# Altium PCB AvionicsSensorBoard.PcbDoc (part 1 of 2) (continued)
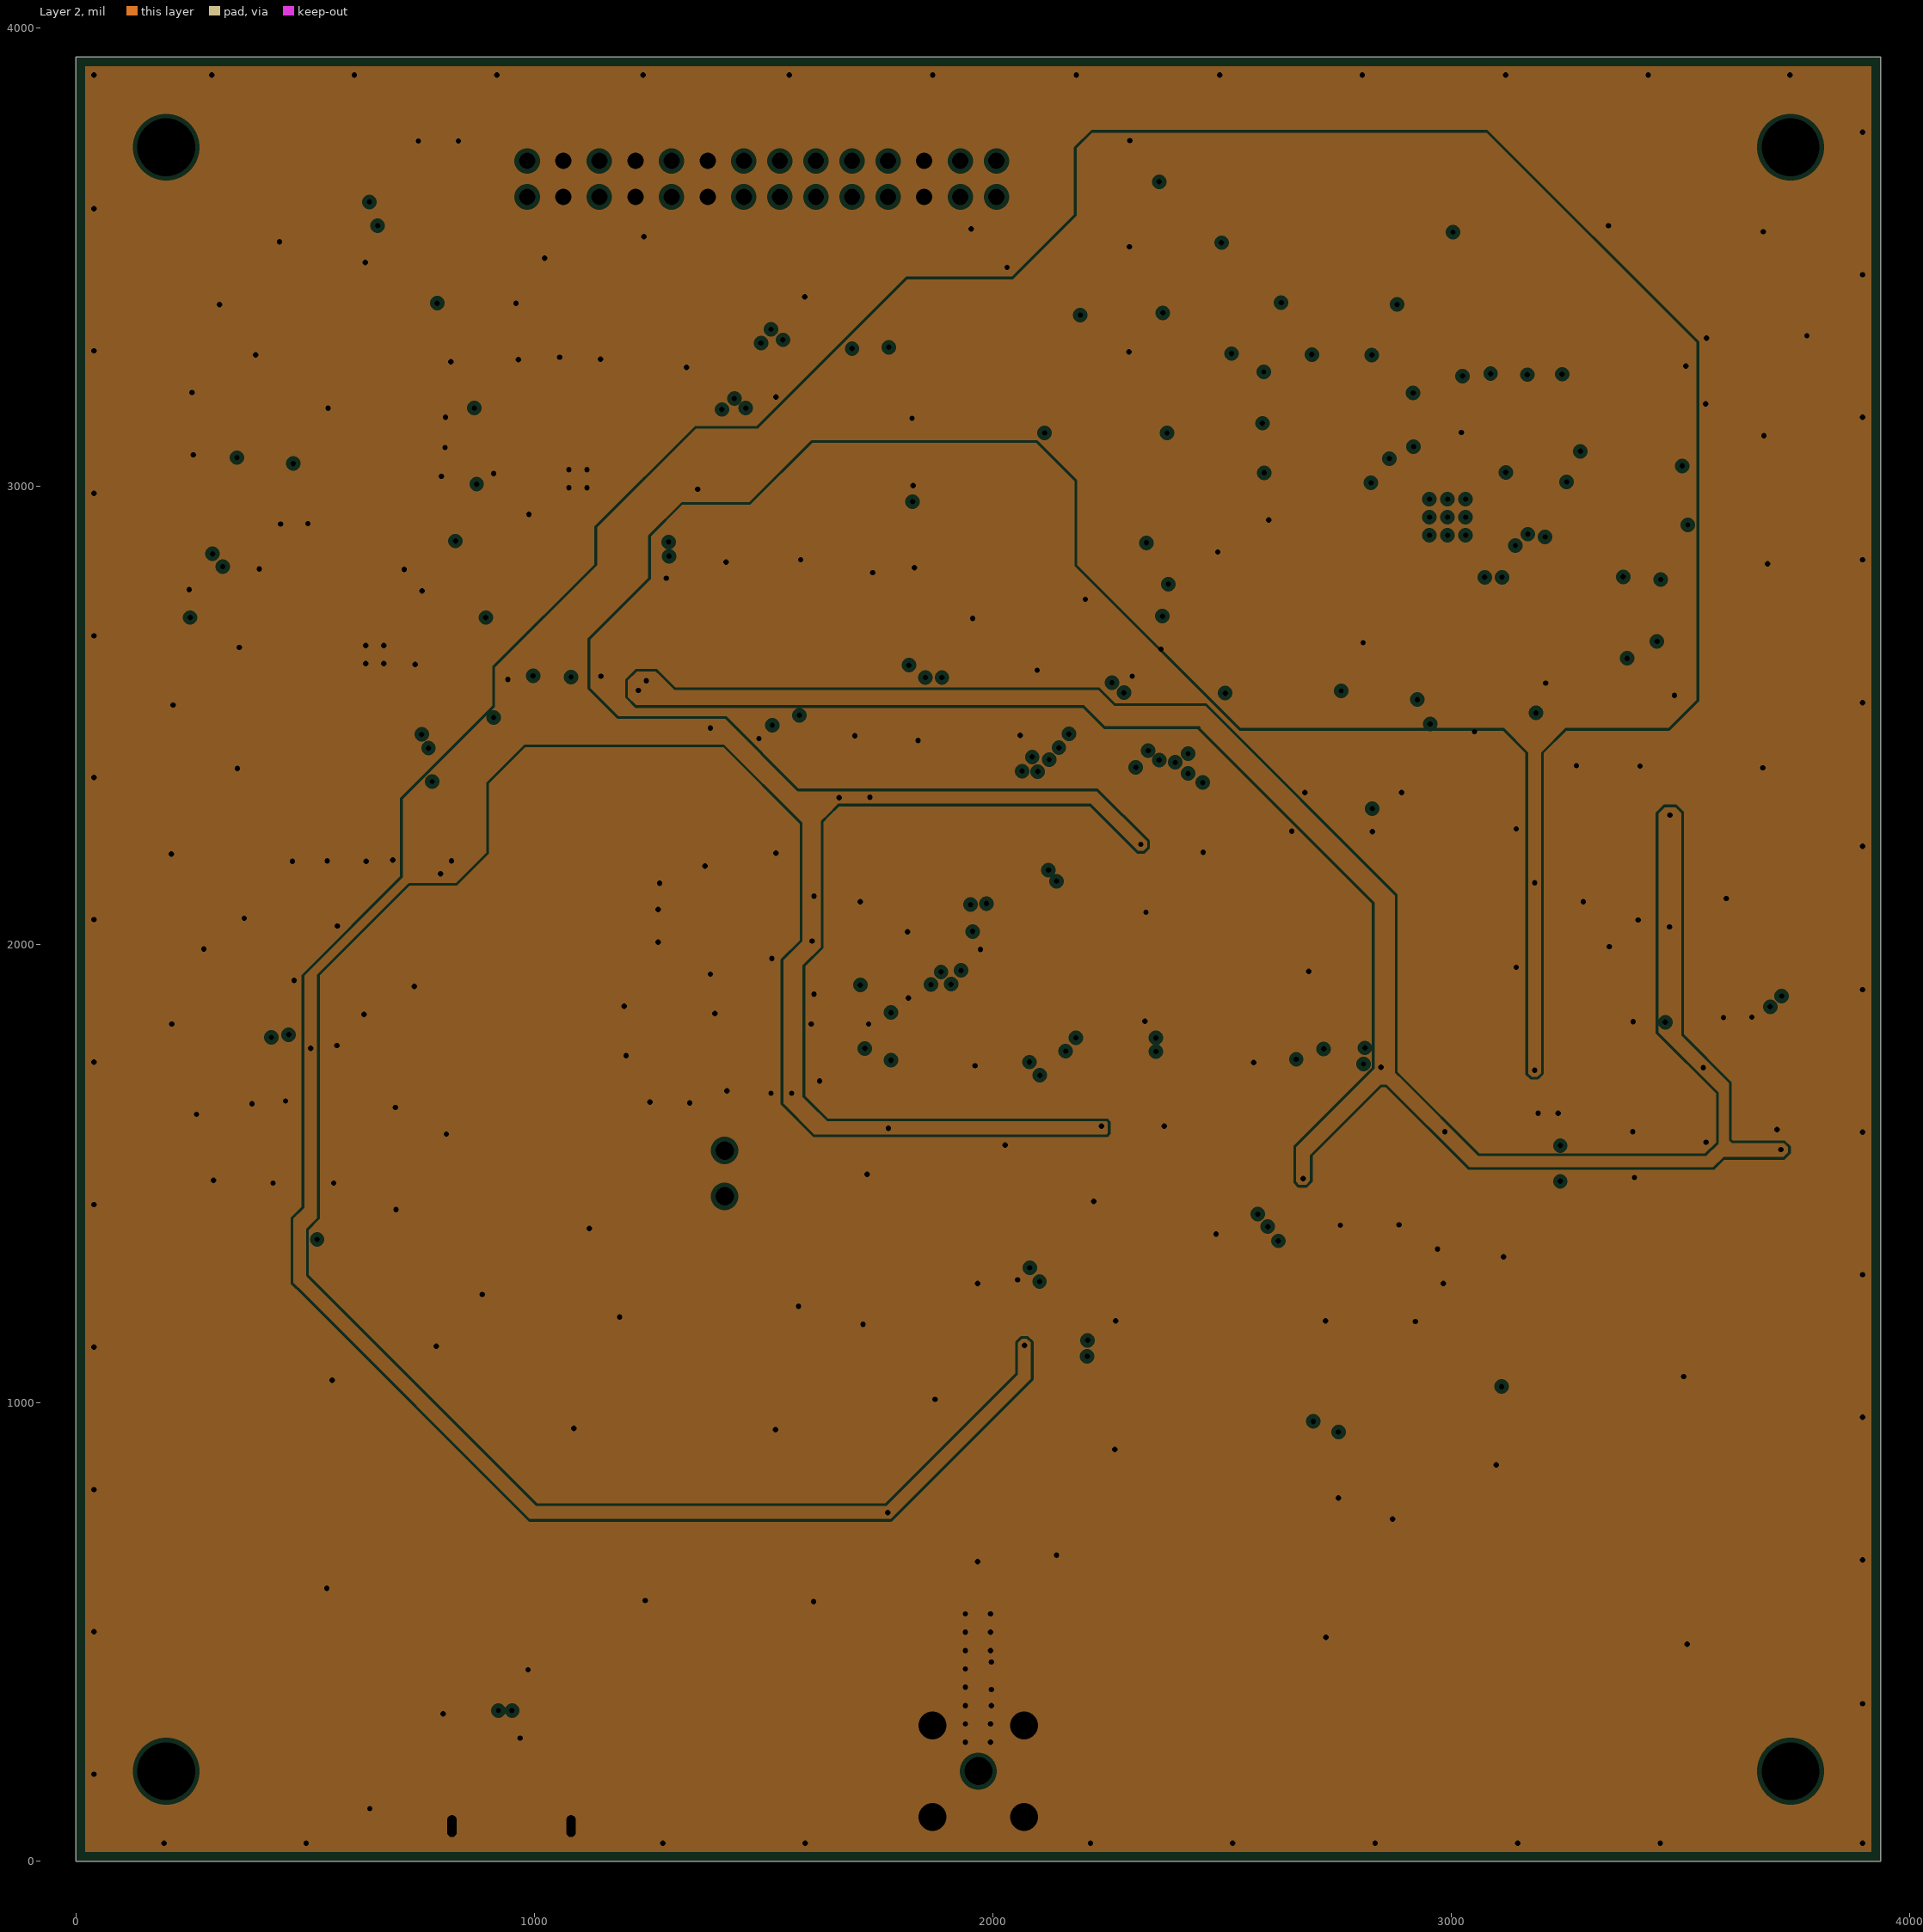
[diagram p3: Layer 2, clearances drawn from the general rule]
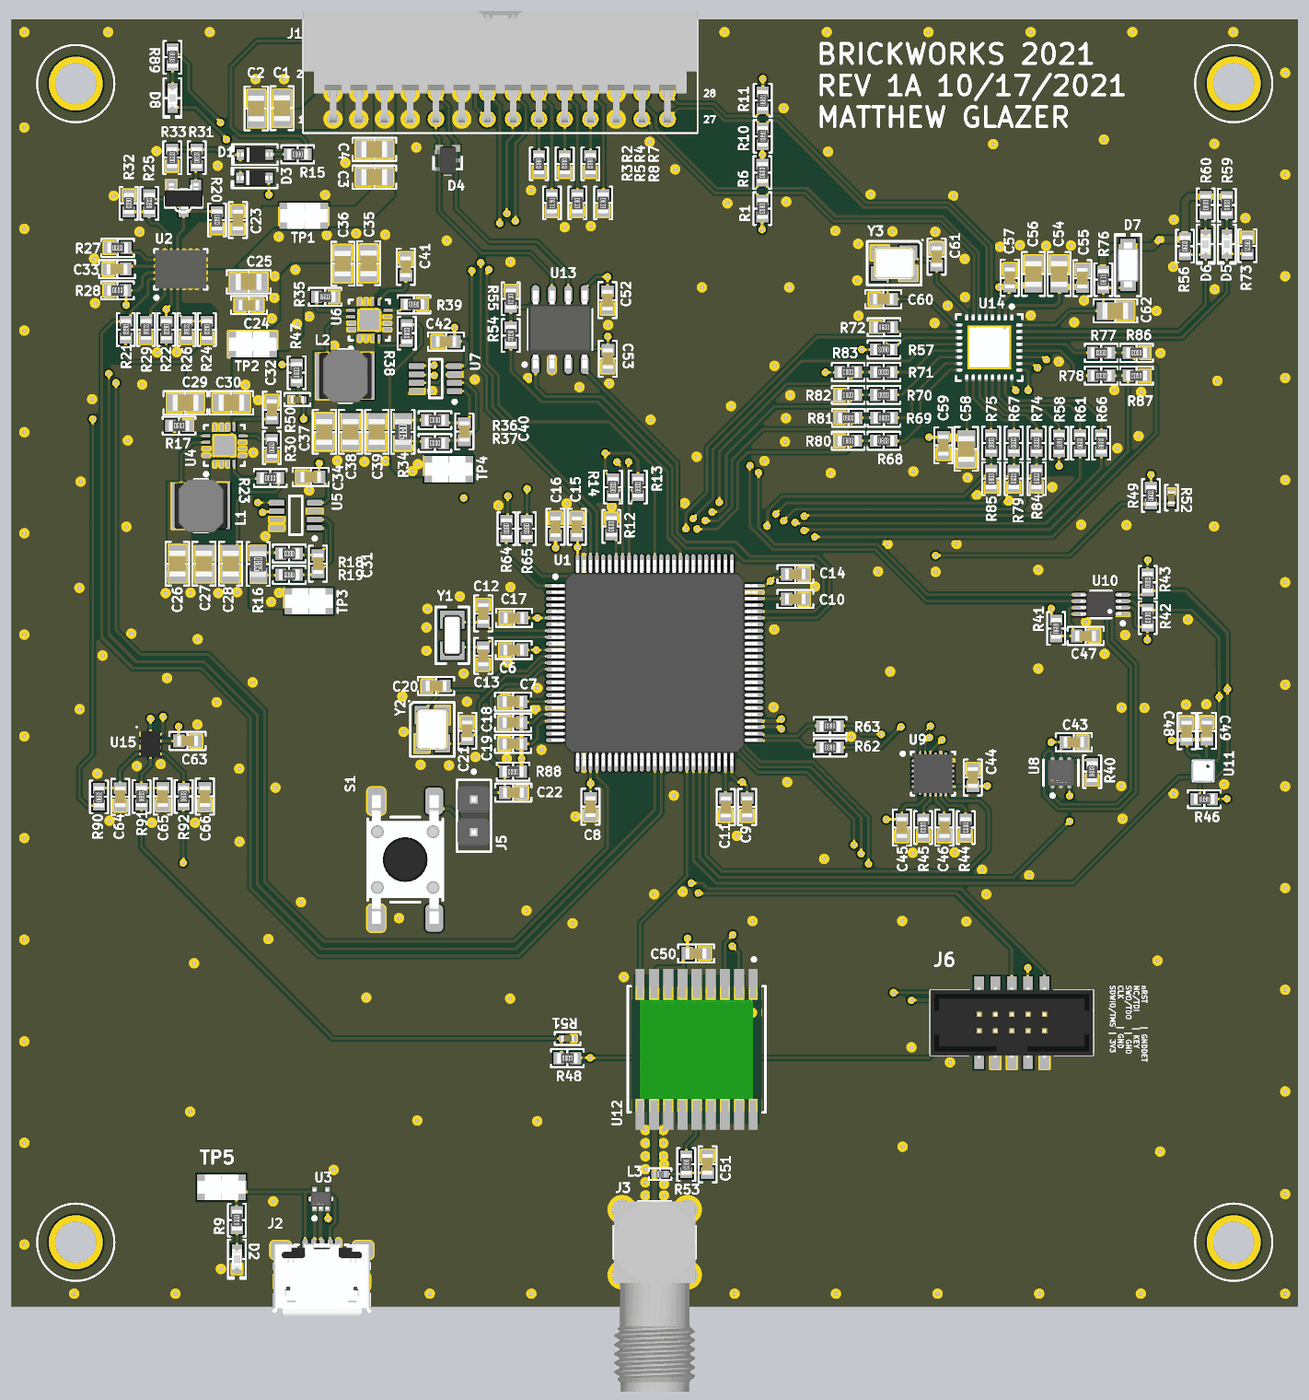
[diagram p5: 3D render of the assembled board from above, using the file's embedded part models]

## Layer stack, top to bottom
Top Solder: solder mask 0.394, SM-001, Dk 4
Top Layer: signal copper 1.614
Dielectric 2: prepreg 9.055, PP-018, Dk 4.3
Layer 1: plane copper 1.378, net GND
Dielectric 1: core 36.614, Core-028, Dk 4.3
Layer 2: plane copper 1.378, net (Multiple Nets)
Dielectric 3: prepreg 9.055, PP-018, Dk 4.3
Bottom Layer: signal copper 1.614
Bottom Solder: solder mask 0.394, SM-001, Dk 4

## Board outline
0,0 3937.01,0 3937.01,3937.01 0,3937.01

## Design rules (kind name [scope] priority, off if disabled: settings)
Clearance [All] p1: gap=6 ignorepadtopadclearanceinfootprint=TRUE
DiffPairsRouting DiffPairsRouting100 [InDifferentialPairClass('DIFF100')] p1: maxlimit=6 minlimit=6 mostfreqgap=6 toplayer_minwidth=8.18 toplayer_maxwidth=8.18 toplayer_prefwidth=8.18 bottomlayer_minwidth=8.18 bottomlayer_maxwidth=8.18 bottomlayer_prefwidth=8.18 impedanceprofiledriven=TRUE impedanceprofileid={3D3F9093-80F4-4E16-AB05-055419844720} impedanceprofilevalue=100.000000 maxuncoupledlength=500
DiffPairsRouting DiffPairsRouting90 [InDifferentialPairClass('DIFF90')] p2: maxlimit=6 minlimit=6 mostfreqgap=6 toplayer_minwidth=10.91 toplayer_maxwidth=10.91 toplayer_prefwidth=10.91 bottomlayer_minwidth=10.91 bottomlayer_maxwidth=10.91 bottomlayer_prefwidth=10.91 impedanceprofiledriven=TRUE impedanceprofileid={56CFB2EB-BAC8-47B2-B82B-7AF4E2608B64} impedanceprofilevalue=90.000000 maxuncoupledlength=500
HoleSize [All] p1: absolutevalues=TRUE maxlimit=150 minlimit=10 maxpercent=80.000 minpercent=20.000
HoleToHoleClearance [All] p1: gap=5 allowstackedmicrovias=TRUE
MinimumAnnularRing [All] p1: minimumring=5.91
MinimumSolderMaskSliver [All] p1: minsoldermaskwidth=1
PlaneClearance [All] p1: clearance=10
PlaneConnect [All] p1: planeconnectstyle=Direct reliefexpansion=20 reliefentries=4 reliefconductorwidth=10 reliefairgap=10
PolygonConnect PolygonConnect_7 [All] p1: connectstyle=Direct reliefconductorwidth=10 reliefentries=4 polygonreliefangle="90 Angle" airgapwidth=10
PolygonConnect PolygonConnect_6 [All] p2: connectstyle=Direct reliefconductorwidth=10 reliefentries=4 polygonreliefangle="90 Angle" airgapwidth=10
PolygonConnect PolygonConnect_5 [All vs IsNamedPolygon('Top Layer-+5')] p3: connectstyle=Direct reliefconductorwidth=10 reliefentries=4 polygonreliefangle="90 Angle" airgapwidth=10
PolygonConnect PolygonConnect_4 [All vs IsNamedPolygon('Top Layer-NetC62_2')] p4: connectstyle=Direct reliefconductorwidth=10 reliefentries=4 polygonreliefangle="90 Angle" airgapwidth=10
PolygonConnect PolygonConnect_3 [All vs IsNamedPolygon('Top Layer-NetC62_2')] p5: connectstyle=Relief reliefconductorwidth=10 reliefentries=4 polygonreliefangle="90 Angle" airgapwidth=10
PolygonConnect PolygonConnect_2 [All vs IsNamedPolygon('Top Layer-+5_Supply')] p6: connectstyle=Direct reliefconductorwidth=10 reliefentries=4 polygonreliefangle="90 Angle" airgapwidth=10
PolygonConnect PolygonConnect_1 [All vs IsNamedPolygon('Top Layer-GND') Or  IsNamedPolygon('Bot Layer- GND')] p7: connectstyle=Direct reliefconductorwidth=10 reliefentries=4 polygonreliefangle="90 Angle" airgapwidth=10
PolygonConnect [All] p8: connectstyle=Relief reliefconductorwidth=10 reliefentries=4 polygonreliefangle="90 Angle" airgapwidth=10
RoutingVias [All] p1: holewidth=20 width=35 viastyle="Through Hole" minholewidth=11.81 minwidth=21.65 maxholewidth=35 maxwidth=50
SilkToSilkClearance [All] p1: silktosilkclearance=5
SilkToSolderMaskClearance [IsPad] p1: minsilkscreentomaskgap=0.1 clearancetoexposedcopper=TRUE
SolderMaskExpansion [All] p1: expansion=4 istentingtop=FALSE
UnRoutedNet [All] p1: checkbadconnections=TRUE
Width Width_50ohm [InNet('RF_IN')] p1: maxlimit=15.96 minlimit=15.96 preferedwidth=15.96 impedanceprofiledriven=TRUE impedanceprofileid={C7A62132-7CFF-4661-B070-4CE1FDF975CA} impedanceprofilevalue=50.000000 minimp=50.000000 maximp=50.000000 favimp=50.000000
Width [All] p2: maxlimit=50 minlimit=6 preferedwidth=7.5
21 further rules are at their usual default settings.

## Classes and differential pairs
differential pair class DIFF100: ETH_RX ETH_TX
differential pair class DIFF90: USB_HEADER
component class Transceivers: C52 C53 C54 C55 C56 C57 C58 C59 C60 C61 C62 D4 D5 D6 D7 R54 R55 R56 R57 R58 R59 R60 R61 R66 R67 R68 R69 R70 R71 R72 R73 R74 R75 R76 R77 R78 R79 R80 R81 R82 R83 R84 R85 R86 R87 U13 U14 Y3
component class Sensors: C43 C44 C45 C46 C47 C48 C49 C63 C64 C65 C66 R40 R41 R42 R43 R44 R45 R46 R47 R48 R49 R50 R51 R52 R90 R91 R92 U8 U9 U10 U11 U15
component class Power-Supplies: C23 C24 C25 C26 C27 C28 C29 C30 C31 C32 C33 C34 C35 C36 C37 C38 C39 C40 C41 C42 D1 D3 D8 L1 L2 Q1 R16 R17 R18 R19 R20 R21 R22 R23 R24 R25 R26 R27 R28 R29 R30 R31 R32 R33 R34 R35 R36 R37 R38 R39 R89 TP3 TP4 U2 U4 U5 U6 U7
component class Microcontroller: C6 C7 C8 C9 C10 C11 C12 C13 C14 C15 C16 C17 C18 C19 C20 C21 C22 J5 J6 R12 R13 R14 R62 R63 R64 R65 R88 S1 U1 Y1 Y2
component class Interfaces: C1 C2 C3 C4 D2 J1 J2 J3 R1 R2 R3 R4 R5 R6 R7 R8 R9 R10 R11 R15 TP1 TP5 U3
component class Controller: C50 C51 L3 R53 U12
differential pair USB_HEADER: +USB_HEADER_P -USB_HEADER_N
differential pair ETH_TX: +ETH_TX_P -ETH_TX_N
differential pair ETH_RX: +ETH_RX_P -ETH_RX_N

## Components (designator, comment, footprint, x,y, rotation, side; value= is the part's Value field where it differs from the comment)
C1 "10µF" "CAP 0805_2012" 828,3665 r270 top
C2 "10µF" "CAP 0805_2012" 749,3664 r270 top
C3 "10µF" "CAP 0805_2012" 1110.5,3454 r0 top
C4 "10µF" "CAP 0805_2012" 1110.5,3539 r0 top
C6 "0.1µF" "CAP 0603_1608" 1537,2008 r0 top
C7 "0.1µF" "CAP 0603_1608" 1535,1850 r0 top
C8 "0.1µF" "CAP 0603_1608" 1772,1529 r90 top
C9 "0.1µF" "CAP 0603_1608" 2251,1528 r90 top
C10 "2.2µF" "CAP 0603_1608" 2399,2164 r180 top
C11 "2.2µF" "CAP 0603_1608" 2186,1527.57 r90 top
C12 "2.1pF" "CAP 0603_1608" 1444,2120 r270 top
C13 "2.1pF" "CAP 0603_1608" 1444,1990 r90 top
C14 "0.1µF" "CAP 0603_1608" 2399,2240 r180 top
C15 "0.1µF" "CAP 0603_1608" 1730,2385 r270 top
C16 "4.7µF" "CAP 0603_1608" 1665,2385 r270 top
C17 "1µF" "CAP 0603_1608" 1538,2106 r0 top
C18 "0.1µF" "CAP 0603_1608" 1535,1786 r0 top
C19 "1µF" "CAP 0603_1608" 1535,1721 r0 top
C20 "24pF" "CAP 0603_1608" 1299.57,1898 r0 top
C21 "24pF" "CAP 0603_1608" 1395,1761 r270 top
C22 "0.1µF" "CAP 0603_1608" 1536,1572 r180 top
C23 "0.1µF" "CAP 0603_1608" 693,3323 r270 top
C24 "0.1µF" "CAP 0603_1608" 727,3063 r180 top
C25 "10µF" "CAP 0805_2012" 726,3134 r180 top
C26 "10µF" "CAP 0805_2012" 508,2272 r90 top
C27 "10µF" "CAP 0805_2012" 589,2272 r90 top
C28 "10µF" "CAP 0805_2012" 671,2272 r90 top
C29 "10µF" "CAP 0805_2012" 532.5,2764 r0 top
C30 "10µF" "CAP 0805_2012" 673,2764 r180 top
C31 "0.1µF" "CAP 0603_1608" 938,2272 r90 top
C32 "10000pF" "CAP 0603_1608" 797,2743 r270 top
C33 "1500pF" "CAP 0603_1608" 323.43,3173 r0 top
C34 "0.1µF" "CAP 0603_1608" 916,2537 r0 top
C35 "10µF" "CAP 0805_2012" 1093,3190.5 r270 top
C36 "10µF" "CAP 0805_2012" 1014,3189.5 r270 top
C37 "10µF" "CAP 0805_2012" 957.57,2675 r90 top
C38 "10µF" "CAP 0805_2012" 1037.57,2675 r90 top
C39 "10µF" "CAP 0805_2012" 1118,2675 r90 top
C40 "0.1µF" "CAP 0603_1608" 1386,2676 r90 top
C41 "10000pF" "CAP 0603_1608" 1207,3180 r270 top
C42 "0.1µF" "CAP 0603_1608" 1330,2951 r0 top
C43 "0.1µF" "CAP 0603_1608" 3251,1726 r180 top
C44 "0.1µF" "CAP 0603_1608" 2942,1618 r270 top
C45 "0.1µF" "CAP 0603_1608" 2725,1465 r90 top
C46 "0.1µF" "CAP 0603_1608" 2855,1465 r90 top
C47 "0.1µF" "CAP 0603_1608" 3287,2051 r180 top
C48 "0.1µF" "CAP 0603_1608" 3596,1760 r270 top
C49 "0.1µF" "CAP 0603_1608" 3658,1760.57 r270 top
C50 "0.1µF" "CAP 0603_1608" 2095,1080 r0 top
C51 "10000pF" "CAP 0603_1608" 2130,435 r270 top
C52 "0.1µF" "CAP 0603_1608" 1824,3078 r90 top
C53 "0.1µF" "CAP 0603_1608" 1825,2899 r90 top
C54 "2.2µF" "CAP 0805_2012" 3206,3158 r270 top
C55 "0.1µF" "CAP 0603_1608" 3277,3145 r270 top
C56 "22µF" "CAP 0805_2012" 3127,3158 r270 top
C57 "0.1µF" "CAP 0603_1608" 3055,3146 r270 top
C58 "22µF" "CAP 0805_2012" 2922,2623 r90 top
C59 "0.1µF" "CAP 0603_1608" 2852,2634 r90 top
C60 "24pF" "CAP 0603_1608" 2668,3081 r180 top
C61 "24pF" "CAP 0603_1608" 2831,3211 r90 top
C62 "10µF" "CAP 0805_2012" 3378,3045 r180 top
C63 "0.1µF" "CAP 0603_1608" 539,1730 r180 top
C64 "0.47µF" "CAP 0603_1608" 333,1559 r90 top
C65 "0.47µF" "CAP 0603_1608" 463,1560 r90 top
C66 "0.47µF" "CAP 0603_1608" 592,1560 r90 top
D1 "CUS08F30,H3F" SOD323 744.8,3523 r180 top
D2 "Green" "LED 0603_1608 GREEN" 690,145 r270 top
D3 "CUS08F30,H3F" SOD323 744,3452 r180 top
D4 "PESD1CAN-UX" FP-SOT323-MFG 1335,3505 r270 top
D5 "Green" "LED 0603_1608 GREEN" 3719.16,3249.11 r270 top
D6 "Green" "LED 0603_1608 GREEN" 3654.16,3249.11 r270 top
D7 "1N4148W RHG" SOD123F 3417,3185.3 r90 top
D8 "Green" "LED 0603_1608 GREEN" 493,3696 r270 top
J1 "0878332820" 0878332820 984.25,3710.63 r0 top
J2 "10118193-0001LF" "FCI USB 10118193-0001LF" 950,78.74 r180 top
J3 "731000114" MOLX-731000114_V 1968.5,196.85 r90 top
J5 "M20-9990246" FP-M20-9990246-MFG 1415,1501 r270 top
J6 "3221-10-0300-00" "CNC TECH 3221-10-0300-00" 3061,868.51 r90 top
L1 "2.2µH" "BOURNS SRN4018" 580,2449 r180 top
L2 "2.2µH" "BOURNS SRN4018" 1022,2846 r180 top
L3 "27nH" "IND 0402_1005 RF WW" 1985,405 r0 top
Q1 "NTR4003NT1G" "ON SEMI SOT-23-3" 527,3389 r270 top
R1 "50 Ohms" "RES 0603_1608" 2298,3358 r270 top
R2 "10 kOhms" "RES 0603_1608" 1614.17,3495 r270 top
R3 "10 kOhms" "RES 0603_1608" 1654,3375 r270 top
R4 "10 kOhms" "RES 0603_1608" 1693,3495 r270 top
R5 "10 kOhms" "RES 0603_1608" 1732,3375 r270 top
R6 "50 Ohms" "RES 0603_1608" 2298,3468 r90 top
R7 "10 kOhms" "RES 0603_1608" 1771.65,3495 r270 top
R8 "10 kOhms" "RES 0603_1608" 1811,3375 r270 top
R9 "590 Ohms" "RES 0603_1608" 690,264.41 r90 top
R10 "50 Ohms" "RES 0603_1608" 2299,3579 r270 top
R11 "50 Ohms" "RES 0603_1608" 2299,3689 r90 top
R12 "10 kOhms" "RES 0603_1608" 1836,2386 r90 top
R13 "4.7 kOhms" "RES 0603_1608" 1917,2506 r90 top
R14 "4.7 kOhms" "RES 0603_1608" 1841,2506 r90 top
R15 "0 Ohms" "RES 0603_1608" 876,3524 r180 top
R16 "240 mOhms" "RES 0805_2012" 755,2271 r270 top
R17 "10 kOhms" "RES 0603_1608" 513,2694 r0 top
R18 "10 Ohms" "RES 0603_1608" 850,2303 r180 top
R19 "10 Ohms" "RES 0603_1608" 850,2238 r180 top
R20 "140 kOhms" "RES 0603_1608" 629,3323 r270 top
R21 "10 kOhms" "RES 0603_1608" 350,2988 r270 top
R22 "10 kOhms" "RES 0603_1608" 474,2988 r270 top
R23 "100 kOhms" "RES 0603_1608" 792,2534 r0 top
R24 "180 kOhms" "RES 0603_1608" 598,2988 r270 top
R25 "7.15 kOhms" "RES 0603_1608" 422,3374 r90 top
R26 "47.5 kOhms" "RES 0603_1608" 536,2988 r90 top
R27 "150 kOhms" "RES 0603_1608" 325,3238 r0 top
R28 "63.4 kOhms" "RES 0603_1608" 324.41,3108 r0 top
R29 "10 kOhms" "RES 0603_1608" 412,2988 r90 top
R30 "10 kOhms" "RES 0603_1608" 797,2627 r90 top
R31 "50 Ohms" "RES 0603_1608" 567,3514 r90 top
R32 "32.4 kOhms" "RES 0603_1608" 359,3374 r270 top
R33 "10 kOhms" "RES 0603_1608" 492,3514 r90 top
R34 "240 mOhms" "RES 0805_2012" 1198,2675 r270 top
R35 "10 kOhms" "RES 0603_1608" 960,3088 r0 top
R36 "10 Ohms" "RES 0603_1608" 1296,2711 r180 top
R37 "10 Ohms" "RES 0603_1608" 1296,2641 r180 top
R38 "100 kOhms" "RES 0603_1608" 1210,2977 r90 top
R39 "10 kOhms" "RES 0603_1608" 1232,3065 r180 top
R40 "10 kOhms" "RES 0603_1608" 3307,1636 r90 top
R41 "200 kOhms" "RES 0603_1608" 3197,2074 r90 top
R42 "4.7 kOhms" "RES 0603_1608" 3477,2107 r270 top
R43 "4.7 kOhms" "RES 0603_1608" 3477,2215 r90 top
R44 "10 kOhms" "RES 0603_1608" 2920,1465 r270 top
R45 "10 kOhms" "RES 0603_1608" 2790,1465 r270 top
R46 "10 kOhms" "RES 0603_1608" 3650,1552 r180 top
R47 "10 kOhms" "RES 0603_1608" 873,2856 r90 top
R48 "10 kOhms" "RES 0603_1608" 1701,759.7 r0 top
R49 "10 kOhms" "RES 0603_1608" 3487,2480.41 r90 top
R50 "10 kOhms" "PTC 0402_1005" 875,2774 r0 top
R51 "10 kOhms" "PTC 0402_1005" 1702,820 r180 top
R52 "10 kOhms" "PTC 0402_1005" 3550,2474 r270 top
R53 "10 Ohms" "RES 0603_1608" 2065,435 r270 top
R54 "100 Ohms" "RES 0603_1608" 1528,2970 r270 top
R55 "10 kOhms" "RES 0603_1608" 1528,3082 r270 top
R56 "10 kOhms" "RES 0603_1608" 3591,3243 r90 top
R57 "1 kOhms" "RES 0603_1608" 2669.41,2927 r180 top
R58 "1 kOhms" "RES 0603_1608" 3206,2640 r270 top
R59 "240 Ohms" "RES 0603_1608" 3719.16,3368.52 r90 top
R60 "240 Ohms" "RES 0603_1608" 3654.16,3369.11 r90 top
R61 "22 Ohms" "RES 0603_1608" 3270,2640.41 r90 top
R62 "22 Ohms" "RES 0603_1608" 2505,1710 r180 top
R63 "22 Ohms" "RES 0603_1608" 2505,1775 r180 top
R64 "22 Ohms" "RES 0603_1608" 1515,2379 r270 top
R65 "22 Ohms" "RES 0603_1608" 1577,2379 r270 top
R66 "22 Ohms" "RES 0603_1608" 3335,2640.41 r90 top
R67 "22 Ohms" "RES 0603_1608" 3067,2641 r90 top
R68 "22 Ohms" "RES 0603_1608" 2669.41,2648 r0 top
R69 "22 Ohms" "RES 0603_1608" 2670,2718 r0 top
R70 "22 Ohms" "RES 0603_1608" 2669.41,2788 r0 top
R71 "22 Ohms" "RES 0603_1608" 2669.41,2858 r0 top
R72 "6.49 kOhms" "RES 0603_1608" 2670,2995 r0 top
R73 "1 kOhms" "RES 0603_1608" 3782,3244 r270 top
R74 "22 Ohms" "RES 0603_1608" 3137,2641 r90 top
R75 "22 Ohms" "RES 0603_1608" 2998,2641 r90 top
R76 "10 kOhms" "RES 0603_1608" 3341.03,3140.81 r90 top
R77 "22 Ohms" "RES 0603_1608" 3334.59,2917 r180 top
R78 "22 Ohms" "RES 0603_1608" 3334.59,2847 r180 top
R79 "1 kOhms" "RES 0603_1608" 3067,2532 r90 top
R80 "1 kOhms" "RES 0603_1608" 2560.41,2648 r0 top
R81 "1 kOhms" "RES 0603_1608" 2561.41,2718 r0 top
R82 "1 kOhms" "RES 0603_1608" 2560.41,2788 r0 top
R83 "10 kOhms" "RES 0603_1608" 2560.41,2858 r0 top
R84 "1 kOhms" "RES 0603_1608" 3137,2532 r90 top
R85 "1 kOhms" "RES 0603_1608" 2998,2532 r90 top
R86 "1 kOhms" "RES 0603_1608" 3443,2917 r180 top
R87 "1 kOhms" "RES 0603_1608" 3443,2847 r180 top
R88 "10 kOhms" "RES 0603_1608" 1535,1636 r180 top
R89 "1 kOhms" "RES 0603_1608" 493,3821 r270 top
R90 "680 Ohms" "RES 0603_1608" 268,1559 r90 top
R91 "680 Ohms" "RES 0603_1608" 398,1560 r90 top
R92 "680 Ohms" "RES 0603_1608" 527,1560 r90 top
S1 "FSM6JSMAASTR" "TE FSM6JSMA" 1205,1367 r180 top
TP1 "5019" KSTN-5019_V 895,3336 r0 top
TP2 "5019" KSTN-5019_V 738,2943 r0 top
TP3 "5019" KSTN-5019_V 910,2157 r0 top
TP4 "5019" KSTN-5019_V 1338,2561 r0 top
TP5 "5019" KSTN-5019_V 643,365 r0 top
U1 "SCH - MICROCONTROLLER - STM32F407VET6TR" "PCB - LEADLESS - QFP - ST LQFP-100 14X14MM" 1968.5,1968.5 r0 top
U2 "SCH - POWER - EFUSE - TPS25942A" "PCB - LEADLESS - QFN - TI 20-WQFN" 518.35,3172.29 r90 top
U3 "TPD3E001DRLR" FP-DRL0005A-MFG 947,329 r0 top
U4 "TPS62152RGTT" RGT0016C_V 651.88,2633.45 r90 top
U5 "INA219AIDCNR" DCN0008A_M 870,2420 r180 top
U6 "TPS62151RGTT" RGT0016C_V 1094.97,3017.18 r90 top
U7 "INA219AIDCNR" DCN0008A_M 1298,2838 r180 top
U8 "TMP117AIDRVR" FP-DRV0006A-MFG 3211.41,1632.61 r90 top
U9 "SCH - SENSOR - IMU - ICM-20948" "PCB - LEADLESS - QFN - TDK 24-TFQFN" 2820,1630 r0 top
U10 "PCA9306IDCURQ1" DCU0008A_M 3333.93,2147.47 r180 top
U11 "SCH - SENSOR - PRESSURE - BMP388" "PCB - LEADLESS - BOSCH LGA10" 3647.04,1638.69 r0 top
U12 "MAX-M8Q-0-10" FP-MAX-M8Q-0-10-MFG 2096.61,787.01 r90 top
U13 "SCH - INTERFACE - CAN - TI TCAN1051V" "PCB - LEADS - SOIC - TI SOIC-8" 1679,2988 r90 top
U14 "KSZ8081MNXIA-TR" FP-QFN55-32LD-PL-5-MFG 2992.13,2933.07 r270 top
U15 "SCH - DATA ACQUISITION - ADC - TI TLA2024" "PCB - LEADLESS - QFN - TI X2QFN-10" 425.67,1720.16 r0 top
Y1 "32.768kHz" "ABRACON ABS07" 1349.04,2053.09 r270 top
Y2 "25MHz" "EPSON TSX-3225" 1287.84,1765.28 r270 top
Y3 "25MHz" "EPSON TSX-3225" 2701,3191 r180 top
